# KiCad board fr4-modular-enclosure-front.kicad_pcb
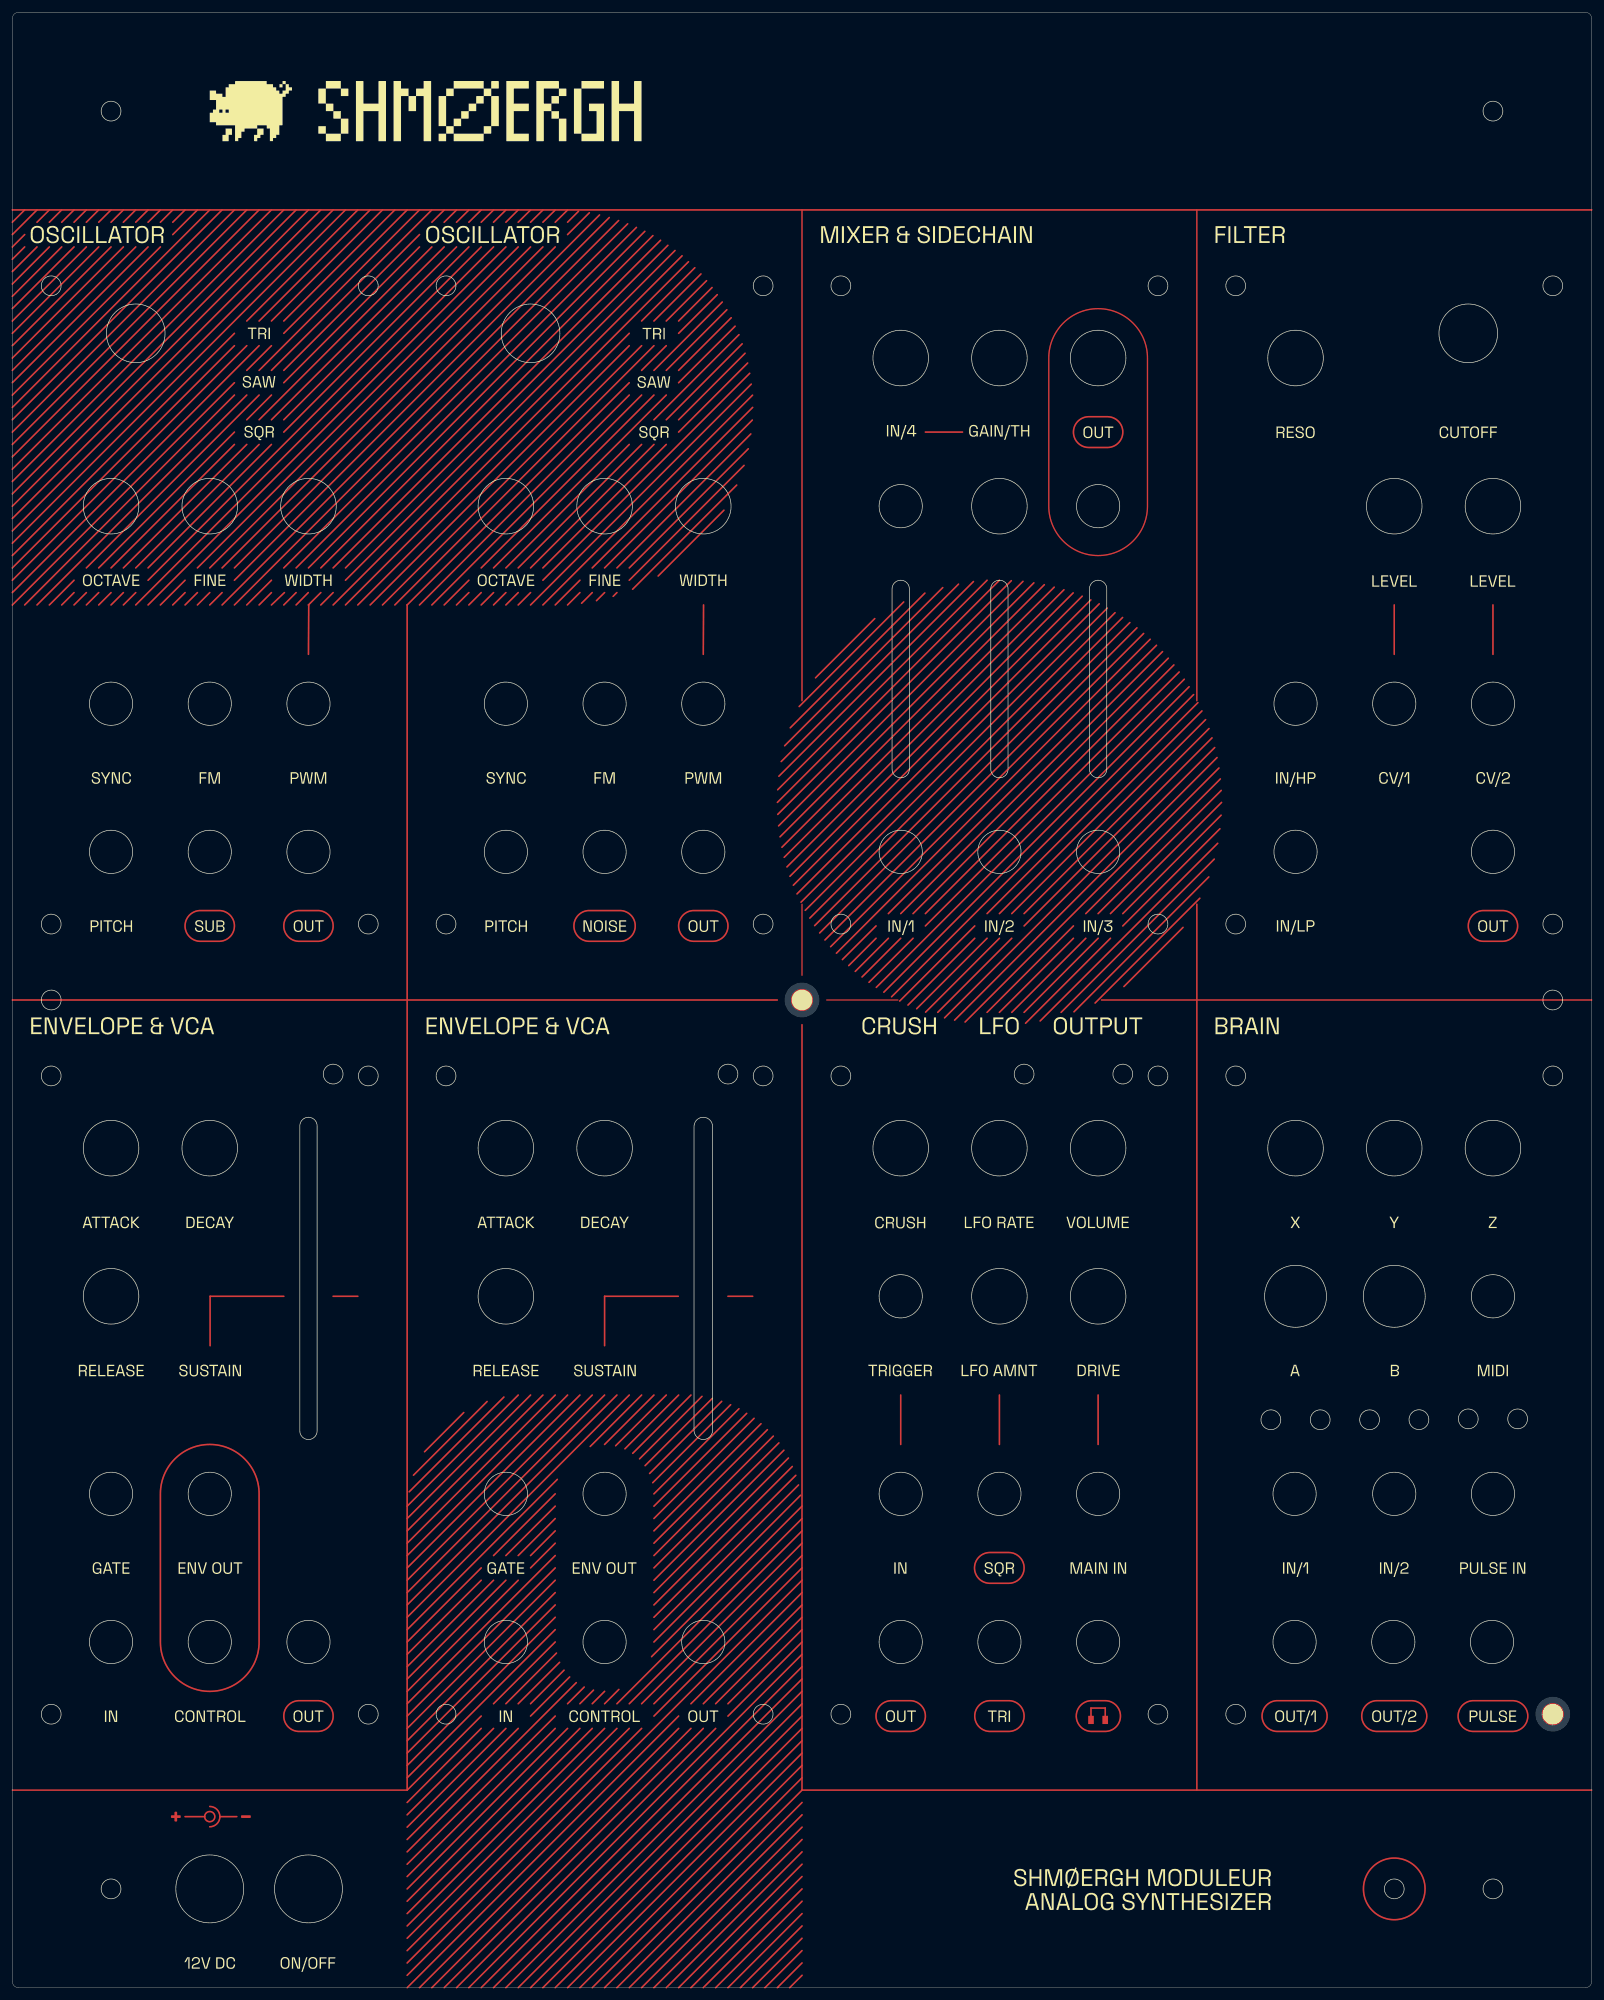
[diagram p0: board, top side]
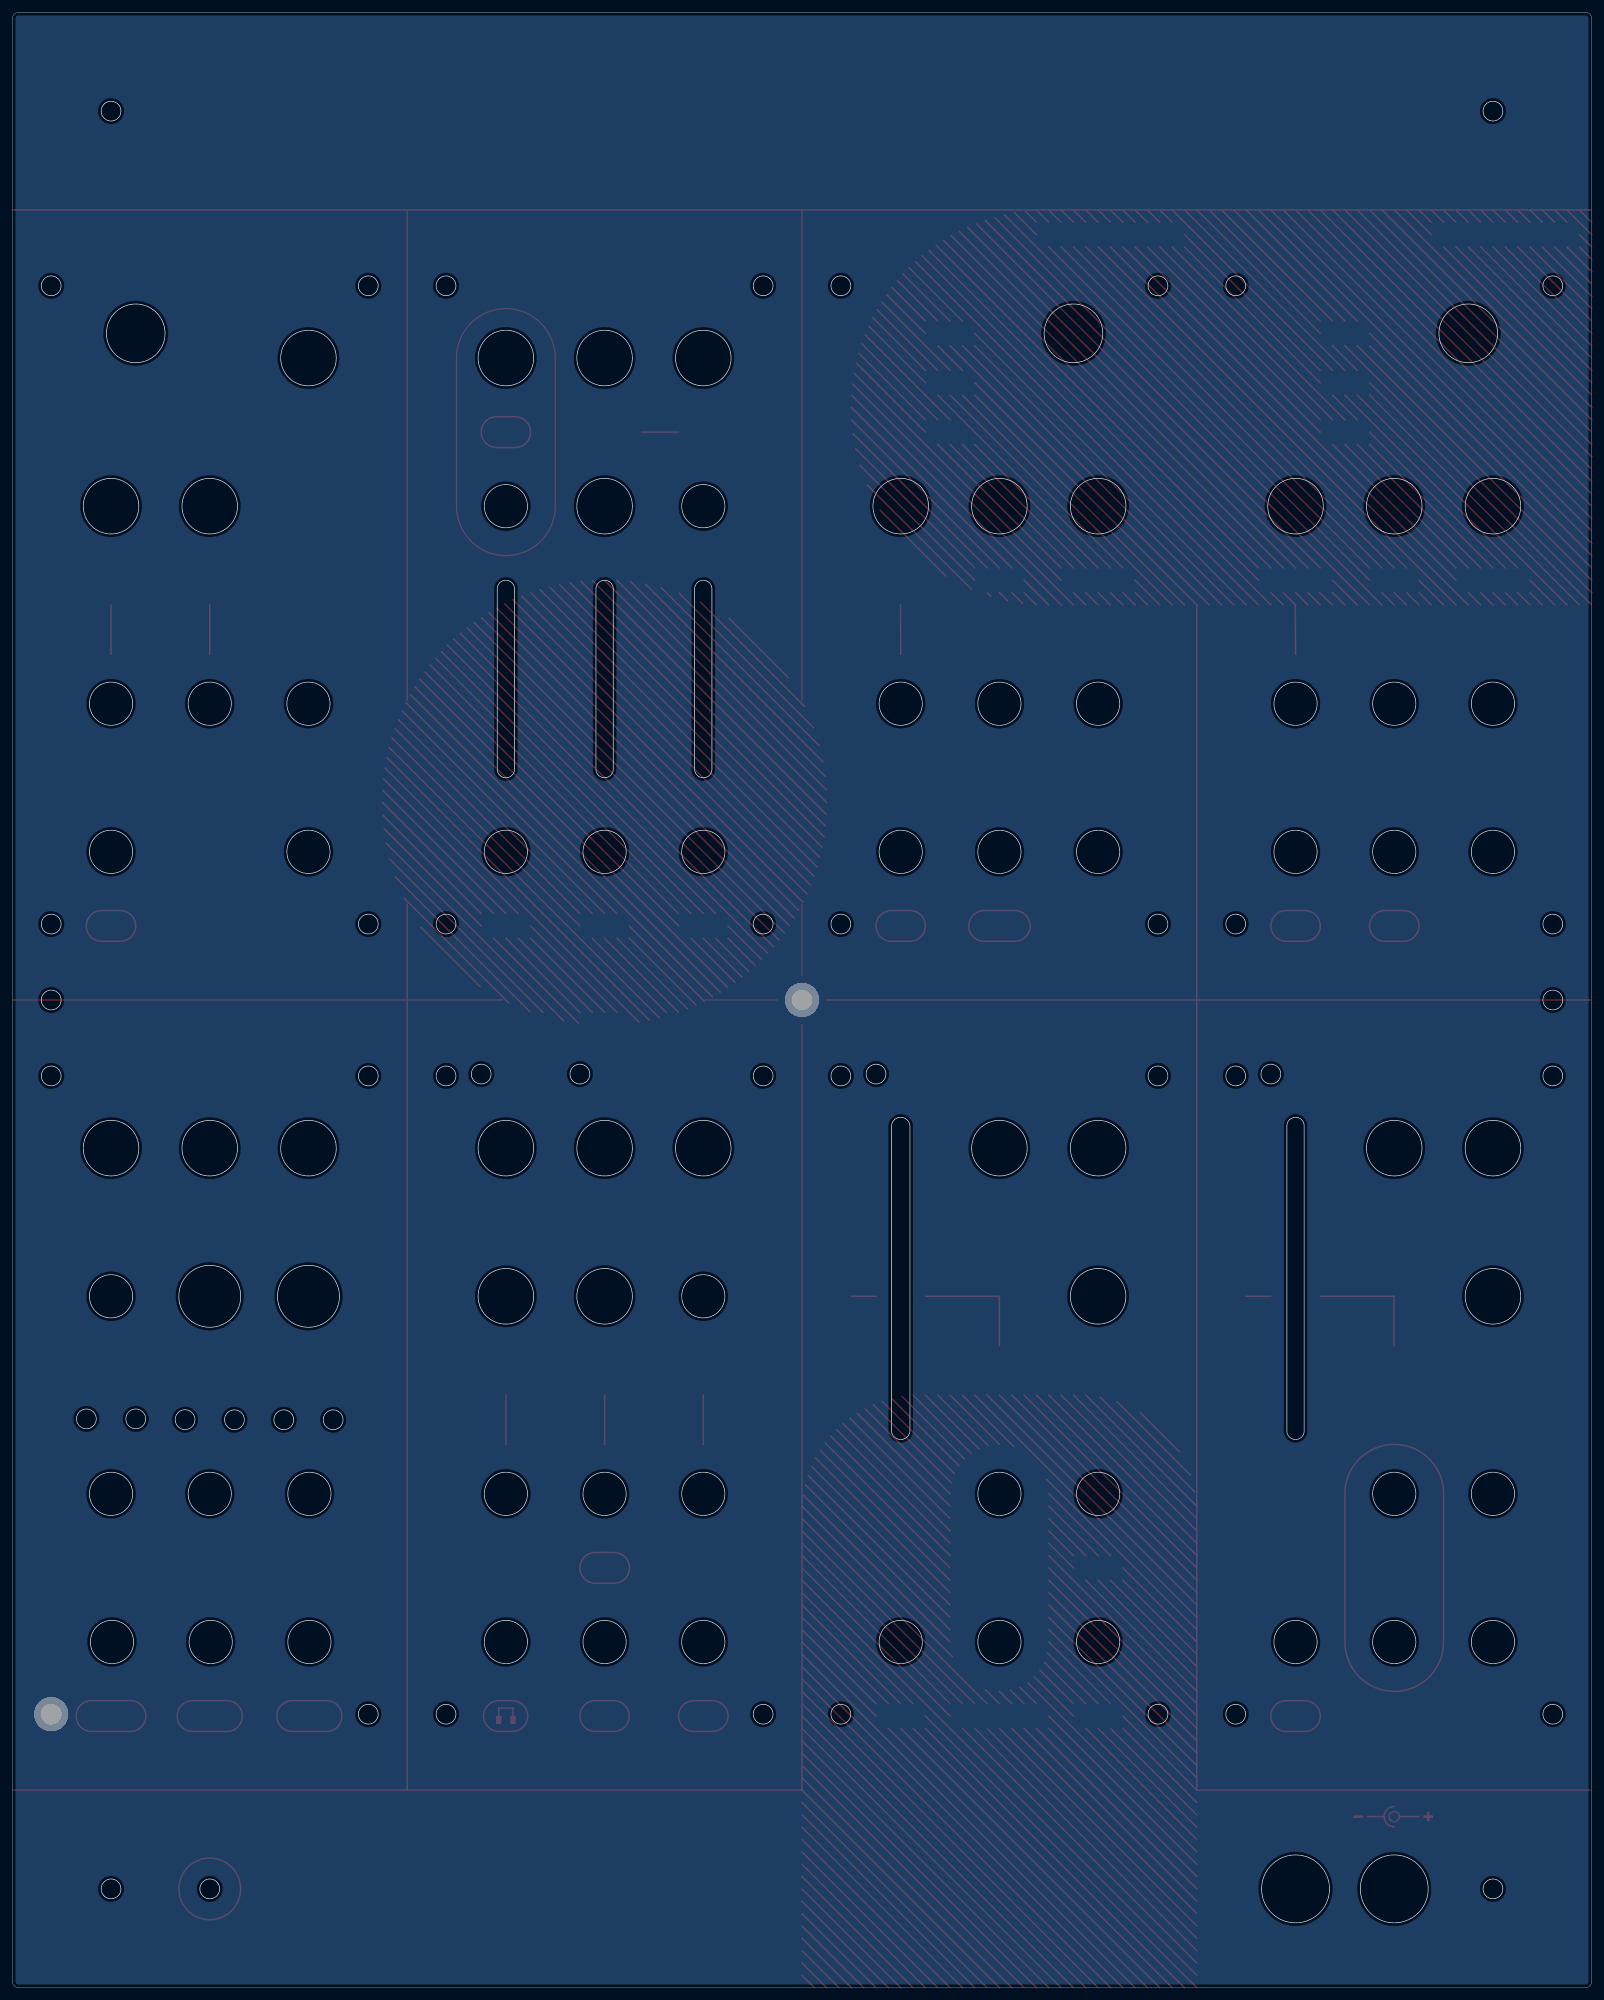
[diagram p1: board, bottom side, seen from below]

Outline 256 x 320 mm; copper layers: Top, Bottom. Coordinates in mm from the lower left corner of the outline.

## Placement (name value [footprint] x y rotation side)
H1  MountingHole_Pad  [MountingHole_3.2mm_M3_DIN965_Pad_TopOnly]  128 160 0 bottom
H2  MountingHole_Pad  [MountingHole_3.2mm_M3_DIN965_Pad_TopOnly]  249.7 44.3 0 bottom

## Library data of the parts
H1 H2 = -: Description: Mounting Hole with connection; ki_fp_filters: MountingHole*Pad*

## Footprints (pads in the part's own frame, mm; a bottom-side part is the same pattern mirrored in y, then rotated)
MountingHole_3.2mm_M3_DIN965_Pad_TopOnly
  round 3.6 hole 3.2: 1(0,0)
  round 5.6 smd: 1(0,0)

## Nets
GND: H1.1 H2.1

## Routing (per net, layer and track width the routed paths; a pad name or vN(x,y) marks a point on that pad's centre or on a via; arc(x,y) is an arc through that point)
GND: length 3680.4
  Top w0.182: 128,175.52 128,164 ; 132,160 143.55,160
  Top w0.212: 0,32 64,32
  Top w0.219: 128,288 128,208.48 ; 176.55,160 256,160 ; 192,288 192,208.48
  Top w0.233: 0,160 124,160 ; 128,156 128,32
  Top w0.234: 128,32 256,32
  Top w0.238: 192,175.52 192,32
  Top w0.244: 64,224 64,32
  Top w0.245: 174.84,44 174.84,45.29 177.16,45.29 177.16,44
  Top w0.247: 0,278 4,282 ; 0,258 24,282 ; 0,230 36,266 ; 0,224 36,260 ; 0,288 256,288 ; 2,282 0,280 ; 10,228 6,224 ; 12,282 0,270 ; 12,224 14,226 ; 28,27.71 31.19,27.71 ; 32,226 30,224 ; 44,112 32.06,112 32.06,104 ; 33.64,27.71 36.38,27.71 ; 34,288 0,254 ; 36,250 16,230 ; 38,254 42,258 ; 38,224 42,228 ; 40,288 0,248 ; 40,266 0,226 ; 42,250 22,230 ; 44,288 0,244 ; 48.04,224 48,224 ; 52,230 105.07,283.07 ; 52,112 56,112 ; 64,66 94,96 ; 64,46 88,70 ; 64,42 88,66 ; 64,40 88,64 ; 64,18 88,42 ; 64,14 92,42 ; 68,0 110,42 ; 80,70 88,78 ; 82,230 102,250 ; 82,224 84,226 ; 84,287.98 82,286 ; 84,68 88,72 ; 84,44 90.34,50.34 ; 86,230 106,250 ; 86,228 119.52,261.52 ; 90,46 92.7,48.7 ; 92,0 128,36 ; 94,230 120,256 ; 107.94,112 96,112 96,104 ; 100,45.99 128.01,74 ; 101.67,85.67 111.79,95.79 ; 102,270 110.63,278.63 ; 103.62,53.62 128,78 ; 104,70 123.35,89.35 ; 104,64 125.8,85.8 ; 104,0 128.01,24 ; 106,254 118.3,266.3 ; 108,268 114.27,274.27 ; 108,262 116.53,270.53 ; 108,252 119.19,263.19 ; 116,43.99 128.01,56 ; 116,0 128.01,12 ; 116,112 120,112 ; 120,0 128,8 ; 122,0 128,6 ; 128.01,62 112.01,46 ; 128.01,42 86,0 ; 128.01,32 128,32 ; 128.01,30 98,0 ; 140,172 134.55,166.55 ; 144,88 144,96 ; 146,170 138.87,162.87 ; 148,252 154.02,252 ; 155.79,227.79 124.25,196.25 ; 160,88 160,96 ; 165.58,227.58 124.44,186.44 ; 170.46,226.46 125.56,181.56 ; 172,170 160,158 ; 173.42,225.42 126.6,178.6 ; 174,170 162,158 ; 176,170 164,158 ; 176,88 176,96 ; 187.37,215.37 146,174 ; 188.28,214.28 148,174 ; 189.14,213.14 148,172 ; 189.76,171.76 180.18,162.18 ; 190.75,210.75 141.26,161.26 ; 193.94,179.94 172.09,158.09 ; 194.82,182.82 170,158 ; 195.27,199.28 152.74,156.74 ; 195.38,185.38 166.61,156.61 ; 195.58,197.58 154.44,156.44 ; 195.81,195.81 174,174 ; 224,216 224,224 ; 240,216 240,224

## Copper pours and planes (outline as drawn; the poured copper is in the pictures)
GND on Top (solid shape): 175.29,42.71 174.4,42.71 174.4,44.04 175.29,44.04
GND on Top (solid shape): 177.6,42.71 176.71,42.71 176.71,44.04 177.6,44.04
GND on Top (solid shape): 32.04,28.53 32.08,28.53 32.12,28.52 32.17,28.51 32.2,28.5 32.24,28.49 32.28,28.48 32.32,28.46 32.36,28.45 32.39,28.43 32.43,28.41 32.46,28.39 32.49,28.37 32.52,28.34 32.55,28.32 32.58,28.29 32.61,28.26 32.63,28.23 32.66,28.2 32.68,28.17 32.7,28.13 32.72,28.1 32.74,28.06 32.76,28.03 32.77,27.99 32.78,27.95 32.79,27.91 32.8,27.87 32.81,27.83 32.82,27.79 32.82,27.75 32.82,27.71 32.82,27.67 32.82,27.62 32.81,27.58 32.8,27.54 32.79,27.5 32.78,27.46 32.77,27.43 32.76,27.39 32.74,27.35 32.72,27.32 32.7,27.28 32.68,27.25 32.66,27.22 32.63,27.19 32.61,27.16 32.58,27.13 32.55,27.1 32.52,27.08 32.49,27.05 32.46,27.03 32.43,27.01 32.39,26.99 32.36,26.97 32.32,26.95 32.28,26.94 32.24,26.92 32.2,26.91 32.17,26.9 32.12,26.9 32.08,26.89 32.04,26.89 32,26.89 31.96,26.89 31.92,26.89 31.87,26.9 31.83,26.9 31.79,26.91 31.76,26.92 31.72,26.94 31.68,26.95 31.64,26.97 31.61,26.99 31.57,27.01 31.54,27.03 31.51,27.05 31.48,27.08 31.45,27.1 31.42,27.13 31.39,27.16 31.37,27.19 31.34,27.22 31.32,27.25 31.3,27.28 31.28,27.32 31.26,27.35 31.24,27.39 31.23,27.43 31.22,27.46 31.2,27.5 31.2,27.54 31.19,27.58 31.18,27.62 31.18,27.67 31.18,27.71 31.18,27.75 31.18,27.79 31.19,27.83 31.2,27.87 31.2,27.91 31.22,27.95 31.23,27.99 31.24,28.03 31.26,28.06 31.28,28.1 31.3,28.13 31.32,28.17 31.34,28.2 31.37,28.23 31.39,28.26 31.42,28.29 31.45,28.32 31.48,28.34 31.51,28.37 31.54,28.39 31.57,28.41 31.61,28.43 31.64,28.45 31.68,28.46 31.72,28.48 31.76,28.49 31.79,28.5 31.83,28.51 31.87,28.52 31.92,28.53 31.96,28.53 32,28.53
GND on Top (solid shape): 224.26,20.99 224.51,20.97 224.76,20.93 225.01,20.89 225.25,20.83 225.48,20.77 225.72,20.69 225.94,20.6 226.16,20.5 226.38,20.39 226.59,20.27 226.79,20.14 226.99,20 227.18,19.85 227.36,19.7 227.53,19.53 227.7,19.36 227.85,19.18 228,18.99 228.14,18.79 228.27,18.59 228.39,18.38 228.5,18.16 228.6,17.94 228.69,17.72 228.77,17.48 228.84,17.25 228.89,17.01 228.93,16.76 228.97,16.51 228.99,16.26 228.99,16 228.99,15.74 228.97,15.49 228.93,15.24 228.89,14.99 228.84,14.75 228.77,14.52 228.69,14.28 228.6,14.06 228.5,13.84 228.39,13.62 228.27,13.41 228.14,13.21 228,13.01 227.85,12.82 227.7,12.64 227.53,12.47 227.36,12.3 227.18,12.15 226.99,12 226.79,11.86 226.59,11.73 226.38,11.61 226.16,11.5 225.94,11.4 225.72,11.31 225.48,11.23 225.25,11.16 225.01,11.11 224.76,11.07 224.51,11.03 224.26,11.01 224,11.01 223.74,11.01 223.49,11.03 223.24,11.07 222.99,11.11 222.75,11.16 222.52,11.23 222.28,11.31 222.06,11.4 221.84,11.5 221.62,11.61 221.41,11.73 221.21,11.86 221.01,12 220.82,12.15 220.64,12.3 220.47,12.47 220.3,12.64 220.15,12.82 220,13.01 219.86,13.21 219.73,13.41 219.61,13.62 219.5,13.84 219.4,14.06 219.31,14.28 219.23,14.52 219.16,14.75 219.11,14.99 219.07,15.24 219.03,15.49 219.01,15.74 219.01,16 219.01,16.26 219.03,16.51 219.07,16.76 219.11,17.01 219.16,17.25 219.23,17.48 219.31,17.72 219.4,17.94 219.5,18.16 219.61,18.38 219.73,18.59 219.86,18.79 220,18.99 220.15,19.18 220.3,19.36 220.47,19.53 220.64,19.7 220.82,19.85 221.01,20 221.21,20.14 221.41,20.27 221.62,20.39 221.84,20.5 222.06,20.6 222.28,20.69 222.52,20.77 222.75,20.83 222.99,20.89 223.24,20.93 223.49,20.97 223.74,20.99 224,20.99
GND on Top (solid shape): 32.41,87.99 32.82,87.96 33.22,87.91 33.61,87.84 34,87.75 34.38,87.64 34.75,87.51 35.11,87.37 35.47,87.21 35.81,87.03 36.15,86.84 36.47,86.63 36.79,86.41 37.09,86.17 37.38,85.92 37.66,85.66 37.92,85.38 38.17,85.09 38.41,84.79 38.63,84.47 38.84,84.15 39.03,83.81 39.21,83.47 39.37,83.11 39.51,82.75 39.64,82.38 39.75,82 39.84,81.61 39.91,81.22 39.96,80.82 39.99,80.41 40,80 40,56 39.99,55.59 39.96,55.18 39.91,54.78 39.84,54.39 39.75,54 39.64,53.62 39.51,53.25 39.37,52.89 39.21,52.53 39.03,52.19 38.84,51.85 38.63,51.53 38.41,51.21 38.17,50.91 37.92,50.62 37.66,50.34 37.38,50.08 37.09,49.83 36.79,49.59 36.47,49.37 36.15,49.16 35.81,48.97 35.47,48.79 35.11,48.63 34.75,48.49 34.38,48.36 34,48.25 33.61,48.16 33.22,48.09 32.82,48.04 32.41,48.01 32,48 31.59,48.01 31.18,48.04 30.78,48.09 30.39,48.16 30,48.25 29.62,48.36 29.25,48.49 28.89,48.63 28.53,48.79 28.19,48.97 27.85,49.16 27.53,49.37 27.21,49.59 26.91,49.83 26.62,50.08 26.34,50.34 26.08,50.62 25.83,50.91 25.59,51.21 25.37,51.53 25.16,51.85 24.97,52.19 24.79,52.53 24.63,52.89 24.49,53.25 24.36,53.62 24.25,54 24.16,54.39 24.09,54.78 24.04,55.18 24.01,55.59 24,56 24,80 24.01,80.41 24.04,80.82 24.09,81.22 24.16,81.61 24.25,82 24.36,82.38 24.49,82.75 24.63,83.11 24.79,83.47 24.97,83.81 25.16,84.15 25.37,84.47 25.59,84.79 25.83,85.09 26.08,85.38 26.34,85.66 26.62,85.92 26.91,86.17 27.21,86.41 27.53,86.63 27.85,86.84 28.19,87.03 28.53,87.21 28.89,87.37 29.25,87.51 29.62,87.64 30,87.75 30.39,87.84 30.78,87.91 31.18,87.96 31.59,87.99 32,88
GND on Top (solid shape): 33.63,174.49 33.76,174.48 33.89,174.46 34.01,174.44 34.13,174.41 34.25,174.38 34.36,174.34 34.48,174.3 34.59,174.25 34.69,174.19 34.8,174.13 34.9,174.07 35,174 35.09,173.92 35.18,173.84 35.27,173.76 35.35,173.68 35.43,173.59 35.5,173.49 35.57,173.39 35.64,173.29 35.7,173.19 35.75,173.08 35.8,172.97 35.85,172.86 35.89,172.74 35.92,172.62 35.95,172.5 35.97,172.38 35.98,172.25 35.99,172.13 36,172 35.99,171.87 35.98,171.74 35.97,171.62 35.95,171.5 35.92,171.38 35.89,171.26 35.85,171.14 35.8,171.03 35.75,170.92 35.7,170.81 35.64,170.71 35.57,170.61 35.5,170.51 35.43,170.41 35.35,170.32 35.27,170.24 35.18,170.16 35.09,170.08 35,170 34.9,169.93 34.8,169.87 34.69,169.81 34.59,169.75 34.48,169.7 34.36,169.66 34.25,169.62 34.13,169.59 34.01,169.56 33.89,169.54 33.76,169.52 33.63,169.51 33.51,169.51 30.49,169.51 30.36,169.51 30.23,169.52 30.11,169.54 29.99,169.56 29.87,169.59 29.75,169.62 29.63,169.66 29.52,169.7 29.41,169.75 29.3,169.81 29.2,169.87 29.1,169.93 29,170 28.9,170.08 28.81,170.16 28.73,170.24 28.65,170.32 28.57,170.41 28.49,170.51 28.42,170.61 28.36,170.71 28.3,170.81 28.24,170.92 28.19,171.03 28.15,171.14 28.11,171.26 28.08,171.38 28.05,171.5 28.03,171.62 28.01,171.74 28,171.87 28,172 28,172.13 28.01,172.25 28.03,172.38 28.05,172.5 28.08,172.62 28.11,172.74 28.15,172.86 28.19,172.97 28.24,173.08 28.3,173.19 28.36,173.29 28.42,173.39 28.49,173.49 28.57,173.59 28.65,173.68 28.73,173.76 28.81,173.84 28.9,173.92 29,174 29.1,174.07 29.2,174.13 29.3,174.19 29.41,174.25 29.52,174.3 29.63,174.34 29.75,174.38 29.87,174.41 29.99,174.44 30.11,174.46 30.23,174.48 30.36,174.49 30.49,174.49 33.51,174.49
GND on Top (solid shape): 49.64,174.49 49.76,174.48 49.89,174.46 50.01,174.44 50.13,174.41 50.25,174.38 50.37,174.34 50.48,174.3 50.59,174.25 50.7,174.19 50.8,174.13 50.9,174.07 51,174 51.09,173.92 51.18,173.84 51.27,173.76 51.35,173.68 51.43,173.59 51.51,173.49 51.57,173.39 51.64,173.29 51.7,173.19 51.75,173.08 51.8,172.97 51.85,172.86 51.89,172.74 51.92,172.62 51.95,172.5 51.97,172.38 51.99,172.25 52,172.13 52,172 52,171.87 51.99,171.74 51.97,171.62 51.95,171.5 51.92,171.38 51.89,171.26 51.85,171.14 51.8,171.03 51.75,170.92 51.7,170.81 51.64,170.71 51.57,170.61 51.51,170.51 51.43,170.41 51.35,170.32 51.27,170.24 51.18,170.16 51.09,170.08 51,170 50.9,169.93 50.8,169.87 50.7,169.81 50.59,169.75 50.48,169.7 50.37,169.66 50.25,169.62 50.13,169.59 50.01,169.56 49.89,169.54 49.76,169.52 49.64,169.51 49.51,169.51 46.49,169.51 46.36,169.51 46.24,169.52 46.11,169.54 45.99,169.56 45.87,169.59 45.75,169.62 45.64,169.66 45.52,169.7 45.41,169.75 45.3,169.81 45.2,169.87 45.1,169.93 45,170 44.91,170.08 44.82,170.16 44.73,170.24 44.65,170.32 44.57,170.41 44.5,170.51 44.43,170.61 44.36,170.71 44.3,170.81 44.25,170.92 44.2,171.03 44.15,171.14 44.11,171.26 44.08,171.38 44.05,171.5 44.03,171.62 44.01,171.74 44,171.87 44,172 44,172.13 44.01,172.25 44.03,172.38 44.05,172.5 44.08,172.62 44.11,172.74 44.15,172.86 44.2,172.97 44.25,173.08 44.3,173.19 44.36,173.29 44.43,173.39 44.5,173.49 44.57,173.59 44.65,173.68 44.73,173.76 44.82,173.84 44.91,173.92 45,174 45.1,174.07 45.2,174.13 45.3,174.19 45.41,174.25 45.52,174.3 45.64,174.34 45.75,174.38 45.87,174.41 45.99,174.44 46.11,174.46 46.24,174.48 46.36,174.49 46.49,174.49 49.51,174.49
GND on Top (solid shape): 49.64,46.49 49.76,46.48 49.89,46.46 50.01,46.44 50.13,46.41 50.25,46.38 50.37,46.34 50.48,46.3 50.59,46.25 50.7,46.19 50.8,46.13 50.9,46.07 51,46 51.09,45.92 51.18,45.84 51.27,45.76 51.35,45.68 51.43,45.59 51.51,45.49 51.57,45.39 51.64,45.29 51.7,45.19 51.75,45.08 51.8,44.97 51.85,44.86 51.89,44.74 51.92,44.62 51.95,44.5 51.97,44.38 51.99,44.25 52,44.13 52,44 52,43.87 51.99,43.74 51.97,43.62 51.95,43.5 51.92,43.38 51.89,43.26 51.85,43.14 51.8,43.03 51.75,42.92 51.7,42.81 51.64,42.71 51.57,42.61 51.51,42.51 51.43,42.41 51.35,42.32 51.27,42.24 51.18,42.16 51.09,42.08 51,42 50.9,41.93 50.8,41.87 50.7,41.81 50.59,41.75 50.48,41.7 50.37,41.66 50.25,41.62 50.13,41.59 50.01,41.56 49.89,41.54 49.76,41.52 49.64,41.51 49.51,41.51 46.49,41.51 46.36,41.51 46.24,41.52 46.11,41.54 45.99,41.56 45.87,41.59 45.75,41.62 45.64,41.66 45.52,41.7 45.41,41.75 45.3,41.81 45.2,41.87 45.1,41.93 45,42 44.91,42.08 44.82,42.16 44.73,42.24 44.65,42.32 44.57,42.41 44.5,42.51 44.43,42.61 44.36,42.71 44.3,42.81 44.25,42.92 44.2,43.03 44.15,43.14 44.11,43.26 44.08,43.38 44.05,43.5 44.03,43.62 44.01,43.74 44,43.87 44,44 44,44.13 44.01,44.25 44.03,44.38 44.05,44.5 44.08,44.62 44.11,44.74 44.15,44.86 44.2,44.97 44.25,45.08 44.3,45.19 44.36,45.29 44.43,45.39 44.5,45.49 44.57,45.59 44.65,45.68 44.73,45.76 44.82,45.84 44.91,45.92 45,46 45.1,46.07 45.2,46.13 45.3,46.19 45.41,46.25 45.52,46.3 45.64,46.34 45.75,46.38 45.87,46.41 45.99,46.44 46.11,46.46 46.24,46.48 46.36,46.49 46.49,46.49 49.51,46.49
GND on Top (solid shape): 98.61,174.49 98.73,174.48 98.86,174.46 98.98,174.44 99.1,174.41 99.22,174.38 99.34,174.34 99.45,174.3 99.56,174.25 99.67,174.19 99.77,174.13 99.87,174.07 99.97,174 100.06,173.92 100.15,173.84 100.24,173.76 100.32,173.68 100.4,173.59 100.48,173.49 100.54,173.39 100.61,173.29 100.67,173.19 100.72,173.08 100.77,172.97 100.82,172.86 100.86,172.74 100.89,172.62 100.92,172.5 100.94,172.38 100.96,172.25 100.97,172.13 100.97,172 100.97,171.87 100.96,171.74 100.94,171.62 100.92,171.5 100.89,171.38 100.86,171.26 100.82,171.14 100.77,171.03 100.72,170.92 100.67,170.81 100.61,170.71 100.54,170.61 100.48,170.51 100.4,170.41 100.32,170.32 100.24,170.24 100.15,170.16 100.06,170.08 99.97,170 99.87,169.93 99.77,169.87 99.67,169.81 99.56,169.75 99.45,169.7 99.34,169.66 99.22,169.62 99.1,169.59 98.98,169.56 98.86,169.54 98.73,169.52 98.61,169.51 98.48,169.51 93.52,169.51 93.39,169.51 93.27,169.52 93.14,169.54 93.02,169.56 92.9,169.59 92.78,169.62 92.66,169.66 92.55,169.7 92.44,169.75 92.33,169.81 92.23,169.87 92.13,169.93 92.03,170 91.94,170.08 91.85,170.16 91.76,170.24 91.68,170.32 91.6,170.41 91.52,170.51 91.45,170.61 91.39,170.71 91.33,170.81 91.28,170.92 91.23,171.03 91.18,171.14 91.14,171.26 91.11,171.38 91.08,171.5 91.06,171.62 91.04,171.74 91.03,171.87 91.03,172 91.03,172.13 91.04,172.25 91.06,172.38 91.08,172.5 91.11,172.62 91.14,172.74 91.18,172.86 91.23,172.97 91.28,173.08 91.33,173.19 91.39,173.29 91.45,173.39 91.52,173.49 91.6,173.59 91.68,173.68 91.76,173.76 91.85,173.84 91.94,173.92 92.03,174 92.13,174.07 92.23,174.13 92.33,174.19 92.44,174.25 92.55,174.3 92.66,174.34 92.78,174.38 92.9,174.41 93.02,174.44 93.14,174.46 93.27,174.48 93.39,174.49 93.52,174.49 98.48,174.49
GND on Top (solid shape): 113.64,174.49 113.76,174.48 113.89,174.46 114.01,174.44 114.13,174.41 114.25,174.38 114.36,174.34 114.48,174.3 114.59,174.25 114.7,174.19 114.8,174.13 114.9,174.07 115,174 115.09,173.92 115.18,173.84 115.27,173.76 115.35,173.68 115.43,173.59 115.5,173.49 115.57,173.39 115.64,173.29 115.7,173.19 115.75,173.08 115.8,172.97 115.85,172.86 115.89,172.74 115.92,172.62 115.95,172.5 115.97,172.38 115.99,172.25 116,172.13 116,172 116,171.87 115.99,171.74 115.97,171.62 115.95,171.5 115.92,171.38 115.89,171.26 115.85,171.14 115.8,171.03 115.75,170.92 115.7,170.81 115.64,170.71 115.57,170.61 115.5,170.51 115.43,170.41 115.35,170.32 115.27,170.24 115.18,170.16 115.09,170.08 115,170 114.9,169.93 114.8,169.87 114.7,169.81 114.59,169.75 114.48,169.7 114.36,169.66 114.25,169.62 114.13,169.59 114.01,169.56 113.89,169.54 113.76,169.52 113.64,169.51 113.51,169.51 110.49,169.51 110.36,169.51 110.24,169.52 110.11,169.54 109.99,169.56 109.87,169.59 109.75,169.62 109.63,169.66 109.52,169.7 109.41,169.75 109.3,169.81 109.2,169.87 109.1,169.93 109,170 108.91,170.08 108.82,170.16 108.73,170.24 108.65,170.32 108.57,170.41 108.49,170.51 108.43,170.61 108.36,170.71 108.3,170.81 108.25,170.92 108.2,171.03 108.15,171.14 108.11,171.26 108.08,171.38 108.05,171.5 108.03,171.62 108.01,171.74 108,171.87 108,172 108,172.13 108.01,172.25 108.03,172.38 108.05,172.5 108.08,172.62 108.11,172.74 108.15,172.86 108.2,172.97 108.25,173.08 108.3,173.19 108.36,173.29 108.43,173.39 108.49,173.49 108.57,173.59 108.65,173.68 108.73,173.76 108.82,173.84 108.91,173.92 109,174 109.1,174.07 109.2,174.13 109.3,174.19 109.41,174.25 109.52,174.3 109.63,174.34 109.75,174.38 109.87,174.41 109.99,174.44 110.11,174.46 110.24,174.48 110.36,174.49 110.49,174.49 113.51,174.49
GND on Top (solid shape): 145.64,46.49 145.76,46.48 145.89,46.46 146.01,46.44 146.13,46.41 146.25,46.38 146.37,46.34 146.48,46.3 146.59,46.25 146.7,46.19 146.8,46.13 146.9,46.07 147,46 147.09,45.92 147.18,45.84 147.27,45.76 147.35,45.68 147.43,45.59 147.51,45.49 147.57,45.39 147.64,45.29 147.7,45.19 147.75,45.08 147.8,44.97 147.85,44.86 147.89,44.74 147.92,44.62 147.95,44.5 147.97,44.38 147.99,44.25 148,44.13 148,44 148,43.87 147.99,43.74 147.97,43.62 147.95,43.5 147.92,43.38 147.89,43.26 147.85,43.14 147.8,43.03 147.75,42.92 147.7,42.81 147.64,42.71 147.57,42.61 147.51,42.51 147.43,42.41 147.35,42.32 147.27,42.24 147.18,42.16 147.09,42.08 147,42 146.9,41.93 146.8,41.87 146.7,41.81 146.59,41.75 146.48,41.7 146.37,41.66 146.25,41.62 146.13,41.59 146.01,41.56 145.89,41.54 145.76,41.52 145.64,41.51 145.51,41.51 142.49,41.51 142.36,41.51 142.24,41.52 142.11,41.54 141.99,41.56 141.87,41.59 141.75,41.62 141.64,41.66 141.52,41.7 141.41,41.75 141.3,41.81 141.2,41.87 141.1,41.93 141,42 140.91,42.08 140.82,42.16 140.73,42.24 140.65,42.32 140.57,42.41 140.5,42.51 140.43,42.61 140.36,42.71 140.3,42.81 140.25,42.92 140.2,43.03 140.15,43.14 140.11,43.26 140.08,43.38 140.05,43.5 140.03,43.62 140.01,43.74 140,43.87 140,44 140,44.13 140.01,44.25 140.03,44.38 140.05,44.5 140.08,44.62 140.11,44.74 140.15,44.86 140.2,44.97 140.25,45.08 140.3,45.19 140.36,45.29 140.43,45.39 140.5,45.49 140.57,45.59 140.65,45.68 140.73,45.76 140.82,45.84 140.91,45.92 141,46 141.1,46.07 141.2,46.13 141.3,46.19 141.41,46.25 141.52,46.3 141.64,46.34 141.75,46.38 141.87,46.41 141.99,46.44 142.11,46.46 142.24,46.48 142.36,46.49 142.49,46.49 145.51,46.49
GND on Top (solid shape): 161.64,70.49 161.76,70.48 161.89,70.46 162.01,70.44 162.13,70.41 162.25,70.38 162.36,70.34 162.48,70.3 162.59,70.25 162.7,70.19 162.8,70.13 162.9,70.07 163,70 163.09,69.92 163.18,69.84 163.27,69.76 163.35,69.68 163.43,69.58 163.5,69.49 163.57,69.39 163.64,69.29 163.7,69.19 163.75,69.08 163.8,68.97 163.85,68.86 163.89,68.74 163.92,68.62 163.95,68.5 163.97,68.38 163.99,68.25 164,68.13 164,68 164,67.87 163.99,67.74 163.97,67.62 163.95,67.5 163.92,67.38 163.89,67.26 163.85,67.14 163.8,67.03 163.75,66.92 163.7,66.81 163.64,66.71 163.57,66.61 163.5,66.51 163.43,66.41 163.35,66.32 163.27,66.24 163.18,66.16 163.09,66.08 163,66 162.9,65.93 162.8,65.87 162.7,65.81 162.59,65.75 162.48,65.7 162.36,65.66 162.25,65.62 162.13,65.59 162.01,65.56 161.89,65.54 161.76,65.52 161.64,65.51 161.51,65.51 158.46,65.51 158.33,65.51 158.2,65.52 158.08,65.54 157.95,65.56 157.83,65.59 157.71,65.62 157.6,65.66 157.49,65.7 157.38,65.75 157.27,65.81 157.16,65.87 157.06,65.93 156.96,66 156.87,66.08 156.78,66.16 156.69,66.24 156.61,66.32 156.53,66.41 156.46,66.51 156.39,66.61 156.32,66.71 156.26,66.81 156.21,66.92 156.16,67.03 156.12,67.14 156.08,67.26 156.04,67.38 156.01,67.5 155.99,67.62 155.98,67.74 155.97,67.87 155.96,68 155.97,68.13 155.98,68.25 155.99,68.38 156.01,68.5 156.04,68.62 156.08,68.74 156.12,68.86 156.16,68.97 156.21,69.08 156.26,69.19 156.32,69.29 156.39,69.39 156.46,69.49 156.53,69.58 156.61,69.68 156.69,69.76 156.78,69.84 156.87,69.92 156.96,70 157.06,70.07 157.16,70.13 157.27,70.19 157.38,70.25 157.49,70.3 157.6,70.34 157.71,70.38 157.83,70.41 157.95,70.44 158.08,70.46 158.2,70.48 158.33,70.49 158.46,70.49 161.51,70.49
GND on Top (solid shape): 161.64,46.49 161.76,46.48 161.89,46.46 162.01,46.44 162.13,46.41 162.25,46.38 162.37,46.34 162.48,46.3 162.59,46.25 162.7,46.19 162.8,46.13 162.9,46.07 163,46 163.09,45.92 163.18,45.84 163.27,45.76 163.35,45.68 163.43,45.59 163.51,45.49 163.57,45.39 163.64,45.29 163.7,45.19 163.75,45.08 163.8,44.97 163.85,44.86 163.89,44.74 163.92,44.62 163.95,44.5 163.97,44.38 163.99,44.25 164,44.13 164,44 164,43.87 163.99,43.74 163.97,43.62 163.95,43.5 163.92,43.38 163.89,43.26 163.85,43.14 163.8,43.03 163.75,42.92 163.7,42.81 163.64,42.71 163.57,42.61 163.51,42.51 163.43,42.41 163.35,42.32 163.27,42.24 163.18,42.16 163.09,42.08 163,42 162.9,41.93 162.8,41.87 162.7,41.81 162.59,41.75 162.48,41.7 162.37,41.66 162.25,41.62 162.13,41.59 162.01,41.56 161.89,41.54 161.76,41.52 161.64,41.51 161.51,41.51 158.49,41.51 158.36,41.51 158.24,41.52 158.11,41.54 157.99,41.56 157.87,41.59 157.75,41.62 157.64,41.66 157.52,41.7 157.41,41.75 157.3,41.81 157.2,41.87 157.1,41.93 157,42 156.91,42.08 156.82,42.16 156.73,42.24 156.65,42.32 156.57,42.41 156.5,42.51 156.43,42.61 156.36,42.71 156.3,42.81 156.25,42.92 156.2,43.03 156.15,43.14 156.11,43.26 156.08,43.38 156.05,43.5 156.03,43.62 156.01,43.74 156,43.87 156,44 156,44.13 156.01,44.25 156.03,44.38 156.05,44.5 156.08,44.62 156.11,44.74 156.15,44.86 156.2,44.97 156.25,45.08 156.3,45.19 156.36,45.29 156.43,45.39 156.5,45.49 156.57,45.59 156.65,45.68 156.73,45.76 156.82,45.84 156.91,45.92 157,46 157.1,46.07 157.2,46.13 157.3,46.19 157.41,46.25 157.52,46.3 157.64,46.34 157.75,46.38 157.87,46.41 157.99,46.44 158.11,46.46 158.24,46.48 158.36,46.49 158.49,46.49 161.51,46.49
GND on Top (solid shape): 176.41,271.99 176.82,271.96 177.22,271.91 177.61,271.84 178,271.75 178.38,271.64 178.75,271.51 179.11,271.37 179.47,271.21 179.81,271.03 180.15,270.84 180.47,270.63 180.79,270.41 181.09,270.17 181.38,269.92 181.66,269.66 181.92,269.38 182.17,269.09 182.41,268.79 182.63,268.47 182.84,268.15 183.03,267.81 183.21,267.47 183.37,267.11 183.51,266.75 183.64,266.38 183.75,266 183.84,265.61 183.91,265.22 183.96,264.82 183.99,264.41 184,264 184,240 183.99,239.59 183.96,239.18 183.91,238.78 183.84,238.39 183.75,238 183.64,237.62 183.51,237.25 183.37,236.89 183.21,236.53 183.03,236.19 182.84,235.85 182.63,235.53 182.41,235.21 182.17,234.91 181.92,234.62 181.66,234.34 181.38,234.08 181.09,233.83 180.79,233.59 180.47,233.37 180.15,233.16 179.81,232.97 179.47,232.79 179.11,232.63 178.75,232.49 178.38,232.36 178,232.25 177.61,232.16 177.22,232.09 176.82,232.04 176.41,232.01 176,232 175.59,232.01 175.18,232.04 174.78,232.09 174.39,232.16 174,232.25 173.62,232.36 173.25,232.49 172.89,232.63 172.53,232.79 172.19,232.97 171.85,233.16 171.53,233.37 171.21,233.59 170.91,233.83 170.62,234.08 170.34,234.34 170.08,234.62 169.83,234.91 169.59,235.21 169.37,235.53 169.16,235.85 168.97,236.19 168.79,236.53 168.63,236.89 168.49,237.25 168.36,237.62 168.25,238 168.16,238.39 168.09,238.78 168.04,239.18 168.01,239.59 168,240 168,264 168.01,264.41 168.04,264.82 168.09,265.22 168.16,265.61 168.25,266 168.36,266.38 168.49,266.75 168.63,267.11 168.79,267.47 168.97,267.81 169.16,268.15 169.37,268.47 169.59,268.79 169.83,269.09 170.08,269.38 170.34,269.66 170.62,269.92 170.91,270.17 171.21,270.41 171.53,270.63 171.85,270.84 172.19,271.03 172.53,271.21 172.89,271.37 173.25,271.51 173.62,271.64 174,271.75 174.39,271.84 174.78,271.91 175.18,271.96 175.59,271.99 176,272
GND on Top (solid shape): 177.26,46.49 177.38,46.48 177.51,46.46 177.63,46.44 177.75,46.41 177.87,46.38 177.99,46.34 178.1,46.3 178.21,46.25 178.32,46.19 178.42,46.13 178.52,46.07 178.62,46 178.71,45.92 178.8,45.84 178.89,45.76 178.97,45.68 179.05,45.59 179.13,45.49 179.19,45.39 179.26,45.29 179.32,45.19 179.37,45.08 179.42,44.97 179.47,44.86 179.51,44.74 179.54,44.62 179.57,44.5 179.59,44.38 179.61,44.25 179.62,44.13 179.62,44 179.62,43.87 179.61,43.74 179.59,43.62 179.57,43.5 179.54,43.38 179.51,43.26 179.47,43.14 179.42,43.03 179.37,42.92 179.32,42.81 179.26,42.71 179.19,42.61 179.13,42.51 179.05,42.41 178.97,42.32 178.89,42.24 178.8,42.16 178.71,42.08 178.62,42 178.52,41.93 178.42,41.87 178.32,41.81 178.21,41.75 178.1,41.7 177.99,41.66 177.87,41.62 177.75,41.59 177.63,41.56 177.51,41.54 177.38,41.52 177.26,41.51 177.13,41.51 174.95,41.51 174.82,41.51 174.7,41.52 174.57,41.54 174.45,41.56 174.33,41.59 174.21,41.62 174.09,41.66 173.98,41.7 173.87,41.75 173.76,41.81 173.66,41.87 173.56,41.93 173.46,42 173.36,42.08 173.27,42.16 173.19,42.24 173.11,42.32 173.03,42.41 172.95,42.51 172.88,42.61 172.82,42.71 172.76,42.81 172.7,42.92 172.65,43.03 172.61,43.14 172.57,43.26 172.54,43.38 172.51,43.5 172.49,43.62 172.47,43.74 172.46,43.87 172.46,44 172.46,44.13 172.47,44.25 172.49,44.38 172.51,44.5 172.54,44.62 172.57,44.74 172.61,44.86 172.65,44.97 172.7,45.08 172.76,45.19 172.82,45.29 172.88,45.39 172.95,45.49 173.03,45.59 173.11,45.68 173.19,45.76 173.27,45.84 173.36,45.92 173.46,46 173.56,46.07 173.66,46.13 173.76,46.19 173.87,46.25 173.98,46.3 174.09,46.34 174.21,46.38 174.33,46.41 174.45,46.44 174.57,46.46 174.7,46.48 174.82,46.49 174.95,46.49 177.13,46.49
GND on Top (solid shape): 177.64,254.49 177.76,254.48 177.89,254.46 178.01,254.44 178.13,254.41 178.25,254.38 178.37,254.34 178.48,254.3 178.59,254.25 178.7,254.19 178.8,254.13 178.9,254.07 179,254 179.09,253.92 179.18,253.84 179.27,253.76 179.35,253.68 179.43,253.59 179.51,253.49 179.57,253.39 179.64,253.29 179.7,253.19 179.75,253.08 179.8,252.97 179.85,252.86 179.89,252.74 179.92,252.62 179.95,252.5 179.97,252.38 179.99,252.25 180,252.13 180,252 180,251.87 179.99,251.74 179.97,251.62 179.95,251.5 179.92,251.38 179.89,251.26 179.85,251.14 179.8,251.03 179.75,250.92 179.7,250.81 179.64,250.71 179.57,250.61 179.51,250.51 179.43,250.41 179.35,250.32 179.27,250.24 179.18,250.16 179.09,250.08 179,250 178.9,249.93 178.8,249.87 178.7,249.81 178.59,249.75 178.48,249.7 178.37,249.66 178.25,249.62 178.13,249.59 178.01,249.56 177.89,249.54 177.76,249.52 177.64,249.51 177.51,249.51 174.49,249.51 174.36,249.51 174.24,249.52 174.11,249.54 173.99,249.56 173.87,249.59 173.75,249.62 173.64,249.66 173.52,249.7 173.41,249.75 173.3,249.81 173.2,249.87 173.1,249.93 173,250 172.91,250.08 172.82,250.16 172.73,250.24 172.65,250.32 172.57,250.41 172.5,250.51 172.43,250.61 172.36,250.71 172.3,250.81 172.25,250.92 172.2,251.03 172.15,251.14 172.11,251.26 172.08,251.38 172.05,251.5 172.03,251.62 172.01,251.74 172,251.87 172,252 172,252.13 172.01,252.25 172.03,252.38 172.05,252.5 172.08,252.62 172.11,252.74 172.15,252.86 172.2,252.97 172.25,253.08 172.3,253.19 172.36,253.29 172.43,253.39 172.5,253.49 172.57,253.59 172.65,253.68 172.73,253.76 172.82,253.84 172.91,253.92 173,254 173.1,254.07 173.2,254.13 173.3,254.19 173.41,254.25 173.52,254.3 173.64,254.34 173.75,254.38 173.87,254.41 173.99,254.44 174.11,254.46 174.24,254.48 174.36,254.49 174.49,254.49 177.51,254.49
GND on Top (solid shape): 210.75,46.49 210.88,46.48 211.01,46.46 211.13,46.44 211.25,46.41 211.37,46.38 211.48,46.34 211.6,46.3 211.71,46.25 211.81,46.19 211.92,46.13 212.02,46.07 212.12,46 212.21,45.92 212.3,45.84 212.39,45.76 212.47,45.68 212.55,45.59 212.62,45.49 212.69,45.39 212.76,45.29 212.82,45.19 212.87,45.08 212.92,44.97 212.97,44.86 213.01,44.74 213.04,44.62 213.07,44.5 213.09,44.38 213.11,44.25 213.11,44.13 213.12,44 213.11,43.87 213.11,43.74 213.09,43.62 213.07,43.5 213.04,43.38 213.01,43.26 212.97,43.14 212.92,43.03 212.87,42.92 212.82,42.81 212.76,42.71 212.69,42.61 212.62,42.51 212.55,42.41 212.47,42.32 212.39,42.24 212.3,42.16 212.21,42.08 212.12,42 212.02,41.93 211.92,41.87 211.81,41.81 211.71,41.75 211.6,41.7 211.48,41.66 211.37,41.62 211.25,41.59 211.13,41.56 211.01,41.54 210.88,41.52 210.75,41.51 210.63,41.51 205.07,41.51 204.94,41.51 204.81,41.52 204.69,41.54 204.56,41.56 204.44,41.59 204.32,41.62 204.21,41.66 204.1,41.7 203.99,41.75 203.88,41.81 203.77,41.87 203.67,41.93 203.57,42 203.48,42.08 203.39,42.16 203.3,42.24 203.22,42.32 203.14,42.41 203.07,42.51 203,42.61 202.93,42.71 202.87,42.81 202.82,42.92 202.77,43.03 202.73,43.14 202.69,43.26 202.65,43.38 202.62,43.5 202.6,43.62 202.59,43.74 202.58,43.87 202.57,44 202.58,44.13 202.59,44.25 202.6,44.38 202.62,44.5 202.65,44.62 202.69,44.74 202.73,44.86 202.77,44.97 202.82,45.08 202.87,45.19 202.93,45.29 203,45.39 203.07,45.49 203.14,45.59 203.22,45.68 203.3,45.76 203.39,45.84 203.48,45.92 203.57,46 203.67,46.07 203.77,46.13 203.88,46.19 203.99,46.25 204.1,46.3 204.21,46.34 204.32,46.38 204.44,46.41 204.56,46.44 204.69,46.46 204.81,46.48 204.94,46.49 205.07,46.49 210.63,46.49
GND on Top (solid shape): 226.91,46.49 227.04,46.48 227.16,46.46 227.28,46.44 227.4,46.41 227.52,46.38 227.64,46.34 227.75,46.3 227.86,46.25 227.97,46.19 228.07,46.13 228.17,46.07 228.27,46 228.37,45.92 228.46,45.84 228.54,45.76 228.62,45.68 228.7,45.59 228.78,45.49 228.85,45.39 228.91,45.29 228.97,45.19 229.03,45.08 229.08,44.97 229.12,44.86 229.16,44.74 229.19,44.62 229.22,44.5 229.24,44.38 229.26,44.25 229.27,44.13 229.27,44 229.27,43.87 229.26,43.74 229.24,43.62 229.22,43.5 229.19,43.38 229.16,43.26 229.12,43.14 229.08,43.03 229.03,42.92 228.97,42.81 228.91,42.71 228.85,42.61 228.78,42.51 228.7,42.41 228.62,42.32 228.54,42.24 228.46,42.16 228.37,42.08 228.27,42 228.17,41.93 228.07,41.87 227.97,41.81 227.86,41.75 227.75,41.7 227.64,41.66 227.52,41.62 227.4,41.59 227.28,41.56 227.16,41.54 227.04,41.52 226.91,41.51 226.78,41.51 221.22,41.51 221.09,41.51 220.96,41.52 220.84,41.54 220.72,41.56 220.6,41.59 220.48,41.62 220.36,41.66 220.25,41.7 220.14,41.75 220.03,41.81 219.93,41.87 219.83,41.93 219.73,42 219.63,42.08 219.54,42.16 219.46,42.24 219.38,42.32 219.3,42.41 219.22,42.51 219.15,42.61 219.09,42.71 219.03,42.81 218.97,42.92 218.92,43.03 218.88,43.14 218.84,43.26 218.81,43.38 218.78,43.5 218.76,43.62 218.74,43.74 218.73,43.87 218.73,44 218.73,44.13 218.74,44.25 218.76,44.38 218.78,44.5 218.81,44.62 218.84,44.74 218.88,44.86 218.92,44.97 218.97,45.08 219.03,45.19 219.09,45.29 219.15,45.39 219.22,45.49 219.3,45.59 219.38,45.68 219.46,45.76 219.54,45.84 219.63,45.92 219.73,46 219.83,46.07 219.93,46.13 220.03,46.19 220.14,46.25 220.25,46.3 220.36,46.34 220.48,46.38 220.6,46.41 220.72,46.44 220.84,46.46 220.96,46.48 221.09,46.49 221.22,46.49 226.78,46.49
GND on Top (solid shape): 241.64,174.49 241.76,174.48 241.89,174.46 242.01,174.44 242.13,174.41 242.25,174.38 242.37,174.34 242.48,174.3 242.59,174.25 242.7,174.19 242.8,174.13 242.9,174.07 243,174 243.09,173.92 243.18,173.84 243.27,173.76 243.35,173.68 243.43,173.59 243.51,173.49 243.57,173.39 243.64,173.29 243.7,173.19 243.75,173.08 243.8,172.97 243.85,172.86 243.89,172.74 243.92,172.62 243.95,172.5 243.97,172.38 243.99,172.25 244,172.13 244,172 244,171.87 243.99,171.74 243.97,171.62 243.95,171.5 243.92,171.38 243.89,171.26 243.85,171.14 243.8,171.03 243.75,170.92 243.7,170.81 243.64,170.71 243.57,170.61 243.51,170.51 243.43,170.41 243.35,170.32 243.27,170.24 243.18,170.16 243.09,170.08 243,170 242.9,169.93 242.8,169.87 242.7,169.81 242.59,169.75 242.48,169.7 242.37,169.66 242.25,169.62 242.13,169.59 242.01,169.56 241.89,169.54 241.76,169.52 241.64,169.51 241.51,169.51 238.49,169.51 238.36,169.51 238.24,169.52 238.11,169.54 237.99,169.56 237.87,169.59 237.75,169.62 237.64,169.66 237.52,169.7 237.41,169.75 237.3,169.81 237.2,169.87 237.1,169.93 237,170 236.91,170.08 236.82,170.16 236.73,170.24 236.65,170.32 236.57,170.41 236.5,170.51 236.43,170.61 236.36,170.71 236.3,170.81 236.25,170.92 236.2,171.03 236.15,171.14 236.11,171.26 236.08,171.38 236.05,171.5 236.03,171.62 236.01,171.74 236,171.87 236,172 236,172.13 236.01,172.25 236.03,172.38 236.05,172.5 236.08,172.62 236.11,172.74 236.15,172.86 236.2,172.97 236.25,173.08 236.3,173.19 236.36,173.29 236.43,173.39 236.5,173.49 236.57,173.59 236.65,173.68 236.73,173.76 236.82,173.84 236.91,173.92 237,174 237.1,174.07 237.2,174.13 237.3,174.19 237.41,174.25 237.52,174.3 237.64,174.34 237.75,174.38 237.87,174.41 237.99,174.44 238.11,174.46 238.24,174.48 238.36,174.49 238.49,174.49 241.51,174.49
GND on Top (solid shape): 243.28,46.49 243.4,46.48 243.52,46.46 243.65,46.44 243.76,46.42 243.88,46.38 244,46.35 244.11,46.3 244.22,46.25 244.33,46.2 244.44,46.14 244.54,46.07 244.64,46 244.74,45.93 244.83,45.85 244.92,45.76 245,45.67 245.08,45.58 245.16,45.48 245.23,45.38 245.3,45.28 245.36,45.17 245.41,45.06 245.46,44.95 245.5,44.84 245.54,44.72 245.57,44.61 245.6,44.49 245.62,44.37 245.64,44.25 245.65,44.12 245.65,44 245.65,43.88 245.64,43.75 245.62,43.63 245.6,43.51 245.57,43.39 245.54,43.28 245.5,43.16 245.46,43.05 245.41,42.94 245.36,42.83 245.3,42.72 245.23,42.62 245.16,42.52 245.08,42.42 245,42.33 244.92,42.24 244.83,42.15 244.74,42.07 244.64,42 244.54,41.93 244.44,41.86 244.33,41.8 244.22,41.75 244.11,41.7 244,41.65 243.88,41.62 243.76,41.58 243.65,41.56 243.52,41.54 243.4,41.52 243.28,41.51 243.16,41.51 236.84,41.51 236.72,41.51 236.6,41.52 236.48,41.54 236.35,41.56 236.24,41.58 236.12,41.62 236,41.65 235.89,41.7 235.78,41.75 235.67,41.8 235.56,41.86 235.46,41.93 235.36,42 235.26,42.07 235.17,42.15 235.08,42.24 235,42.33 234.92,42.42 234.84,42.52 234.77,42.62 234.7,42.72 234.64,42.83 234.59,42.94 234.54,43.05 234.5,43.16 234.46,43.28 234.43,43.39 234.4,43.51 234.38,43.63 234.36,43.75 234.35,43.88 234.35,44 234.35,44.12 234.36,44.25 234.38,44.37 234.4,44.49 234.43,44.61 234.46,44.72 234.5,44.84 234.54,44.95 234.59,45.06 234.64,45.17 234.7,45.28 234.77,45.38 234.84,45.48 234.92,45.58 235,45.67 235.08,45.76 235.17,45.85 235.26,45.93 235.36,46 235.46,46.07 235.56,46.14 235.67,46.2 235.78,46.25 235.89,46.3 236,46.35 236.12,46.38 236.24,46.42 236.35,46.44 236.48,46.46 236.6,46.48 236.72,46.49 236.84,46.49 243.16,46.49
GND on Bottom: 0,320 256,320 256,0 0,0

Small or netless copper shapes (teardrops, artwork), in the pictures only: 3 on Top
